# Altium PCB PCB.PcbDoc (part 1 of 3)
Units mil, origin at the board's own origin, x right, y up, seen from the top; angles counter-clockwise.
Board outline 3885.47 x 1391.81 mil, 4 copper layers (Top Layer, Mid Layer 1, Mid Layer 2, Bottom Layer), stack 39.339 mil thick; 184 components, 161 nets, 743 pads, 601 vias.
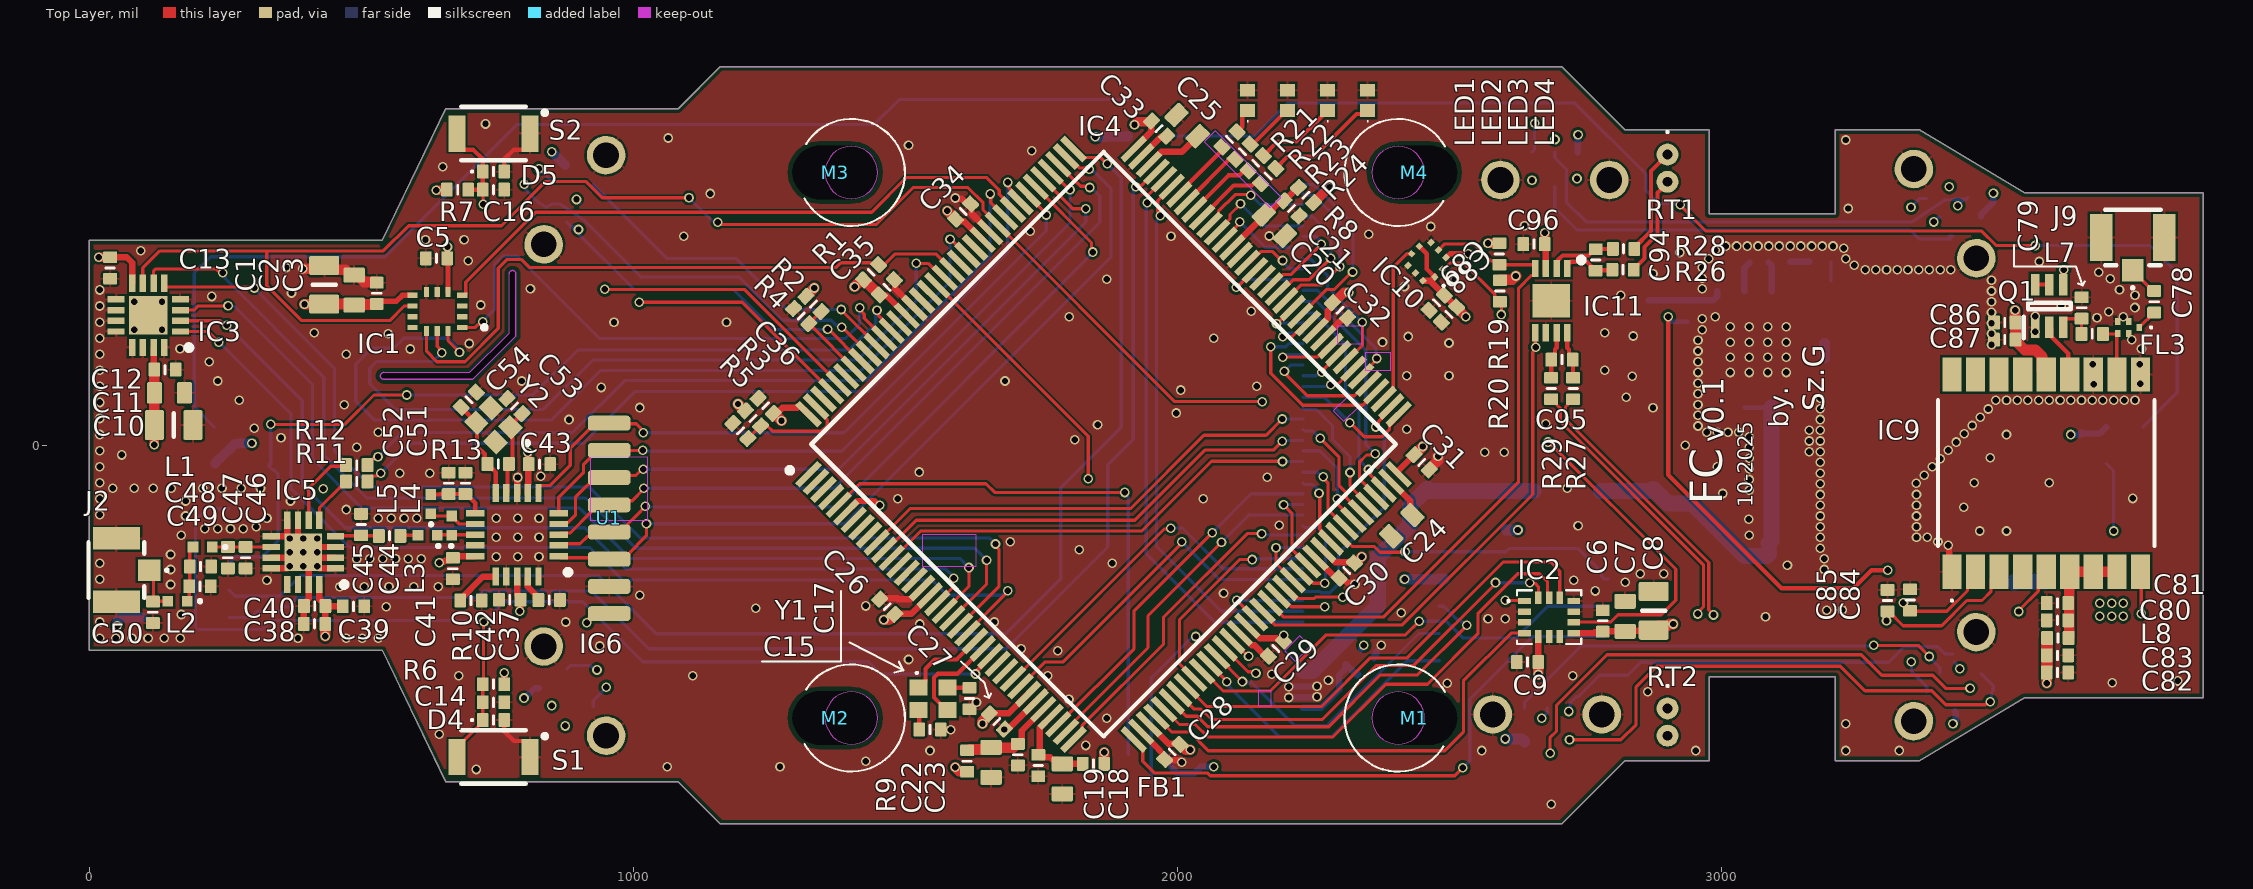
[diagram p0: Top Layer view]
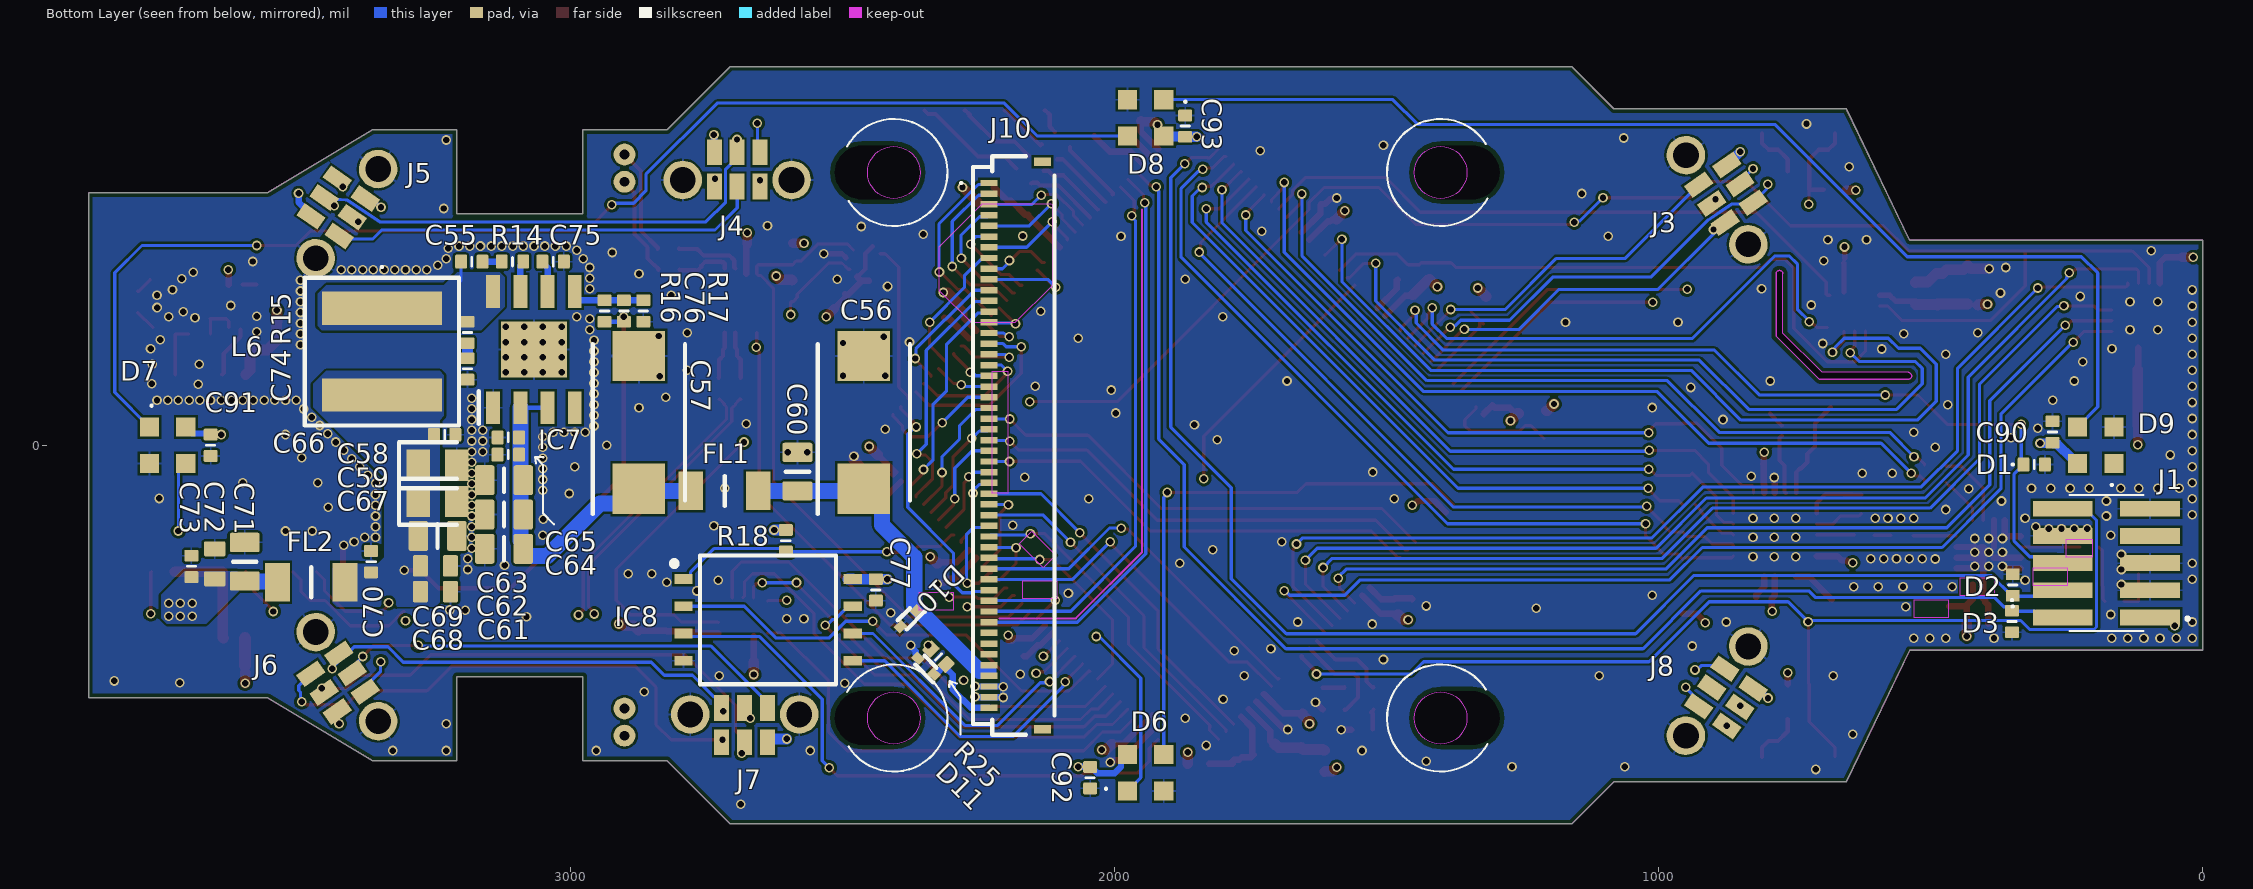
[diagram p1: Bottom Layer view, seen from below]
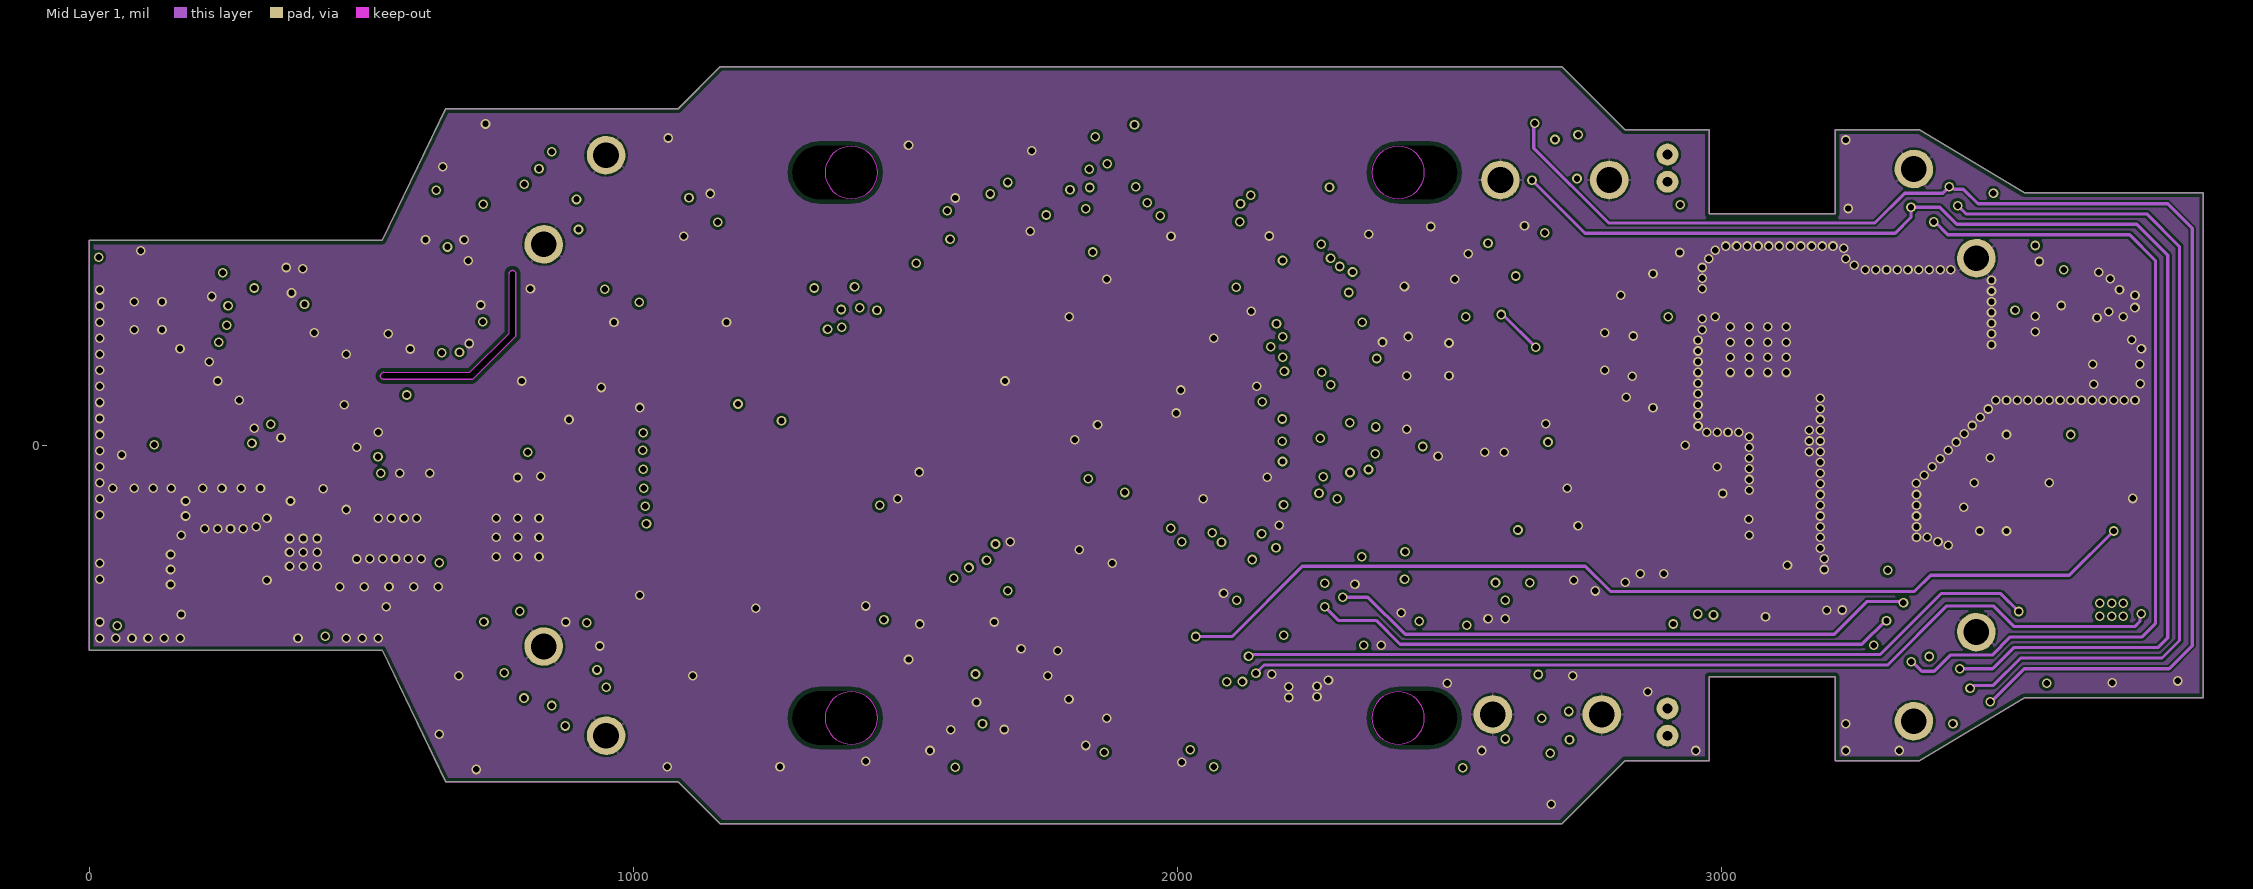
[diagram p2: Mid Layer 1]
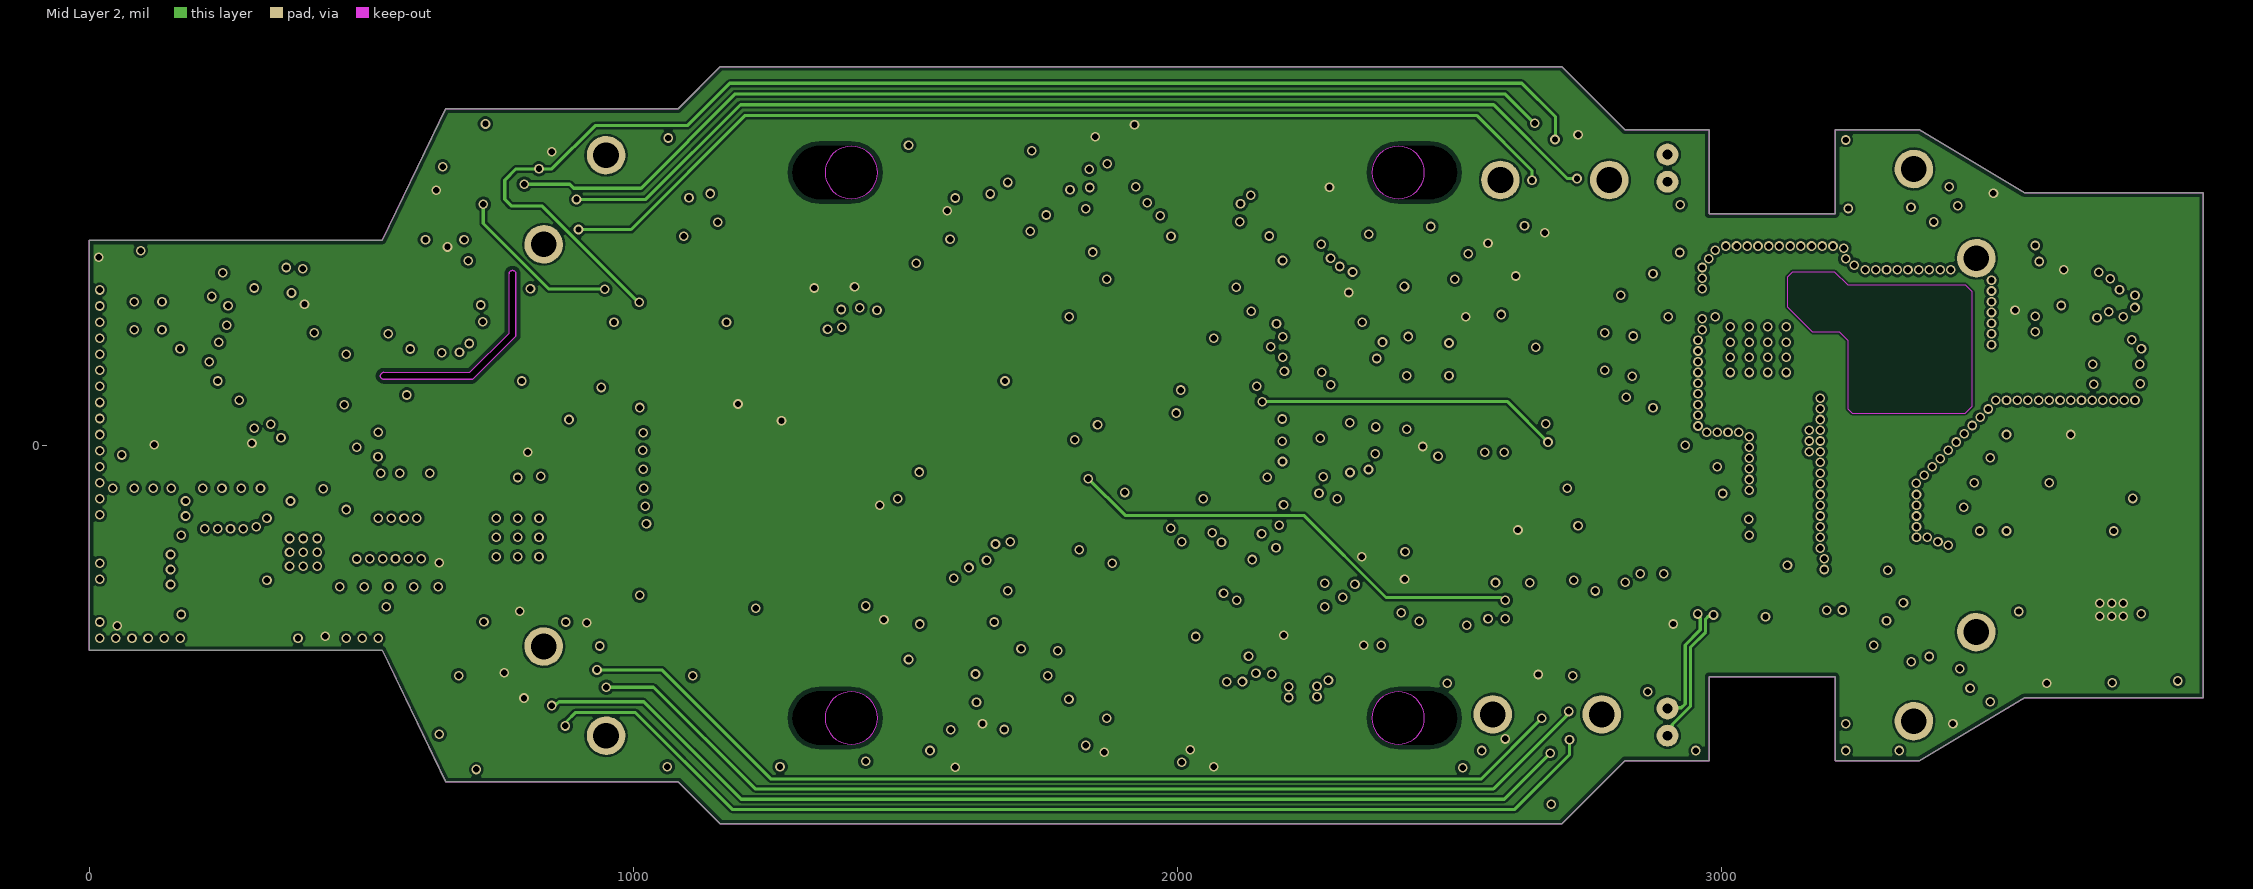
[diagram p3: Mid Layer 2]
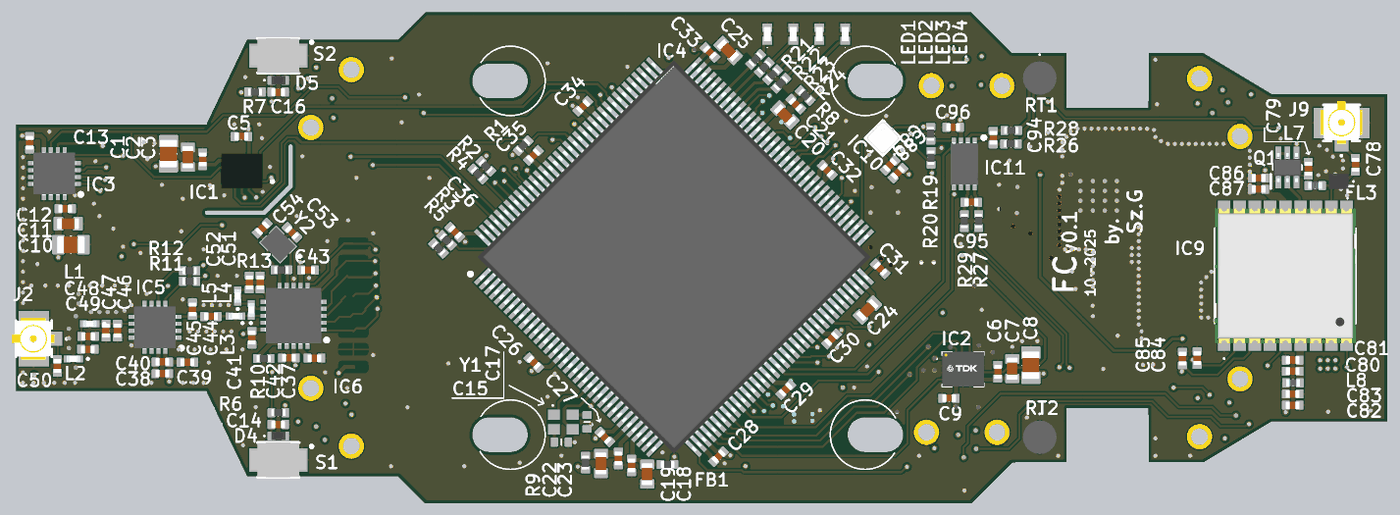
[diagram p6: 3D render of the assembled board from above, using the file's embedded part models]
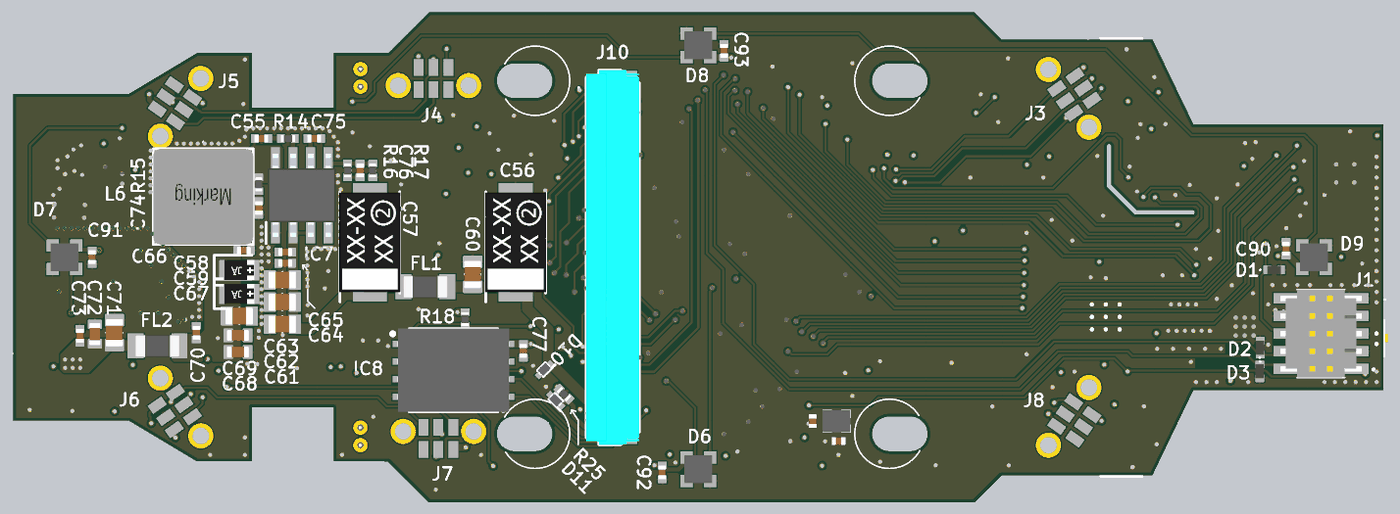
[diagram p7: 3D render of the assembled board from below, using the file's embedded part models]

## Layer stack, top to bottom
Top Solder: solder mask 0.5, Solder Resist, Dk 3.8
Top Layer: signal copper 1.378
Dielectric 1: prepreg 3.9134, 3313, Dk 4.1
Mid Layer 1: signal copper 0.5984
Core: core 27.5591, FR-4, Dk 4.6
Mid Layer 2: signal copper 0.5984
Dielectric 2: prepreg 3.9134, 3313, Dk 4.1
Bottom Layer: signal copper 1.378
Bottom Solder: solder mask 0.5, Solder Resist, Dk 3.8

## Board outline
0,-377.01 539.06,-377.01 655.05,-618.58 1082.52,-618.58 1159.84,-695.91 2706.3,-695.91 2822.28,-579.92 2976.93,-579.92 2976.93,-425.28 3208.9,-425.28 3208.9,-579.92 3363.54,-579.92 3556.85,-463.94 3885.47,-463.94 3885.47,463.94 3556.85,463.94 3363.54,579.92 3208.9,579.92 3208.9,425.28 2976.93,425.28 2976.93,579.92 2822.28,579.92 2706.3,695.91 1159.84,695.91 1082.52,618.58 655.05,618.58 539.06,377.01 0,377.01
cut-out: 541.34,121.06 cw(c541.34,127.46) 541.34,133.86 699.8,133.86 771.65,205.71 771.65,314.96 cw(c778.05,314.96) 784.45,314.96 784.45,200.79 704.71,121.05 704.43,121.05 660.45,121.06

## Design rules (kind name [scope] priority, off if disabled: settings)
BoardOutlineClearance [All] p1: gap=7.87 ignorepadtopadclearanceinfootprint=FALSE
Clearance [All] p1: gap=3.94 ignorepadtopadclearanceinfootprint=FALSE except(7.87: Arc-Hole Track-Hole SMDPad-Hole THPad-Hole Via-Hole Fill-Hole Poly-Hole Region-Hole Text-Hole)
ComponentClearance [All] p1: gap=4 collisioncheckmode=3 verticalgap=4 showdistances=TRUE
DiffPairsRouting [All] p1: maxlimit=4 minlimit=4 mostfreqgap=4 toplayer_minwidth=4 toplayer_maxwidth=71497.94 toplayer_prefwidth=4 midlayer1_minwidth=4 midlayer1_maxwidth=71497.94 midlayer1_prefwidth=4 midlayer2_minwidth=4 midlayer2_maxwidth=71497.94 midlayer2_prefwidth=4 bottomlayer_minwidth=4 bottomlayer_maxwidth=71497.94 bottomlayer_prefwidth=4 maxuncoupledlength=500
Height [All] p1: minheight=0 maxheight=71497.94 prefheight=500
HoleSize [All] p1: absolutevalues=TRUE maxlimit=248.03 minlimit=7.87 maxpercent=80.000 minpercent=20.000
HoleToHoleClearance [All] p1: gap=7.87 allowstackedmicrovias=FALSE
MinimumAnnularRing [All] p1: minimumring=2.91
MinimumSolderMaskSliver [All] p1: minsoldermaskwidth=0
PlaneClearance [All] p1: clearance=4
PlaneConnect PlaneConnectPowerPads [InPadClass('PowerPads')] p1: planeconnectstyle=Direct reliefexpansion=20 reliefentries=4 reliefconductorwidth=10 reliefairgap=10
PlaneConnect [All] p2: pad.planeconnectstyle=Relief pad.reliefexpansion=11.81 pad.reliefentries=4 pad.reliefconductorwidth=4 pad.reliefairgap=4 via.planeconnectstyle=Direct via.reliefexpansion=11.81 via.reliefentries=4 via.reliefconductorwidth=5 via.reliefairgap=5
PolygonConnect DirectConnect [All vs Name Like 'L04_MOS*_RES'  or Name Like 'L04_MOS??_OUT'  or Name Like 'L04_BAT+_F' or Name Like 'L0?_BMS_POW_*' or Name Like 'BAT+_F_L01_IN'  or Name Like '*_DC'] p1: connectstyle=Direct reliefconductorwidth=10 reliefentries=4 polygonreliefangle="90 Angle" airgapwidth=10
PolygonConnect PolygonConnect_1 [All vs IsNamedPolygon('NETC25_2_L04_P056') Or IsNamedPolygon('NETC26_2_L04_P054')] p2: connectstyle=Direct reliefconductorwidth=10 reliefentries=4 polygonreliefangle="90 Angle" airgapwidth=10
PolygonConnect PolygonConnectPowerPads [All vs (InPadClass('PowerPads'))] p3: connectstyle=Direct reliefconductorwidth=10 reliefentries=4 polygonreliefangle="90 Angle" airgapwidth=10
PolygonConnect [All] p4: thpad.connectstyle=Relief thpad.reliefconductorwidth=4 thpad.reliefentries=4 thpad.polygonreliefangle="90 Angle" thpad.airgapwidth=4 smdpad.connectstyle=Relief smdpad.reliefconductorwidth=4 smdpad.reliefentries=4 smdpad.polygonreliefangle="90 Angle" smdpad.airgapwidth=4 via.connectstyle=Direct via.reliefconductorwidth=5 via.reliefentries=4 via.polygonreliefangle="90 Angle" via.airgapwidth=5
RoutingVias [All] p1: holewidth=11.81 width=17.72 viastyle="Through Hole" minholewidth=11.81 minwidth=17.72 maxholewidth=248.03 maxwidth=257.87
SilkToSilkClearance [All] p1 off: silktosilkclearance=0
SilkToSolderMaskClearance [IsPad] p1: minsilkscreentomaskgap=4 clearancetoexposedcopper=TRUE
SolderMaskExpansion [IsVia] p1: expansion=2.95 istentingtop=TRUE
SupplyNets "Schematic Supply Nets_3" [InNet('GND')] p1: voltage=0.000
SupplyNets "Schematic Supply Nets" [InNet('+3V3')] p2: voltage=0.000
Width "50 Ohm" [(InNetClass('50 ohm'))] p1: maxlimit=6.16 minlimit=6.16 preferedwidth=6.16
Width [All] p2: maxlimit=71497.94 minlimit=4 preferedwidth=4
20 further rules are at their usual default settings.

## Classes and differential pairs
component class U_Temp: C94 C95 C96 IC11 R26 R27 R28 R29 RT1 RT2
component class U_PB_Conn: D10 D11 J10 R25
component class U_LED: C90 C91 C92 C93 D6 D7 D8 D9 LED1 LED2 LED3 LED4 R21 R22 R23 R24
component class U_GPS: C78 C79 C80 C81 C82 C83 C84 C85 C86 C87 FL3 IC9 J9 L7 L8 Q1
component class U_Flash: C77 IC8 R18
component class U_Barometer: C88 C89 IC10 R19 R20
component class U_TOF360: J3 J4 J5 J6 J7 J8
component class U_RF: U1
component class U_PSU: C55 C56 C57 C58 C59 C60 C61 C62 C63 C64 C65 C66 C67 C68 C69 C70 C71 C72 C73 C74 C75 C76 FL1 FL2 IC7 L6 R14 R15 R16 R17
component class U_NRF24l01: C37 C38 C39 C40 C41 C42 C43 C44 C45 C46 C47 C48 C49 C50 C51 C52 C53 C54 IC5 IC6 J2 L1 L2 L3 L4 L5 R10 R11 R12 R13 Y2
component class U_MCU: C14 C15 C16 C17 C18 C19 C20 C21 C22 C23 C24 C25 C26 C27 C28 C29 C30 C31 C32 C33 C34 C35 C36 D1 D2 D3 D4 D5 FB1 IC4 J1 R2 R3 R4 R5 R6 R7 R8 R9 S1 S2 Y1
component class U_IMU: C1 C2 C3 C5 C6 C7 C8 C9 C10 C11 C12 C13 IC1 IC2 IC3 R1
component class Main: M1 M2 M3 M4
